# Altium PCB PCBV2.PcbDoc (part 1 of 2) (continued)
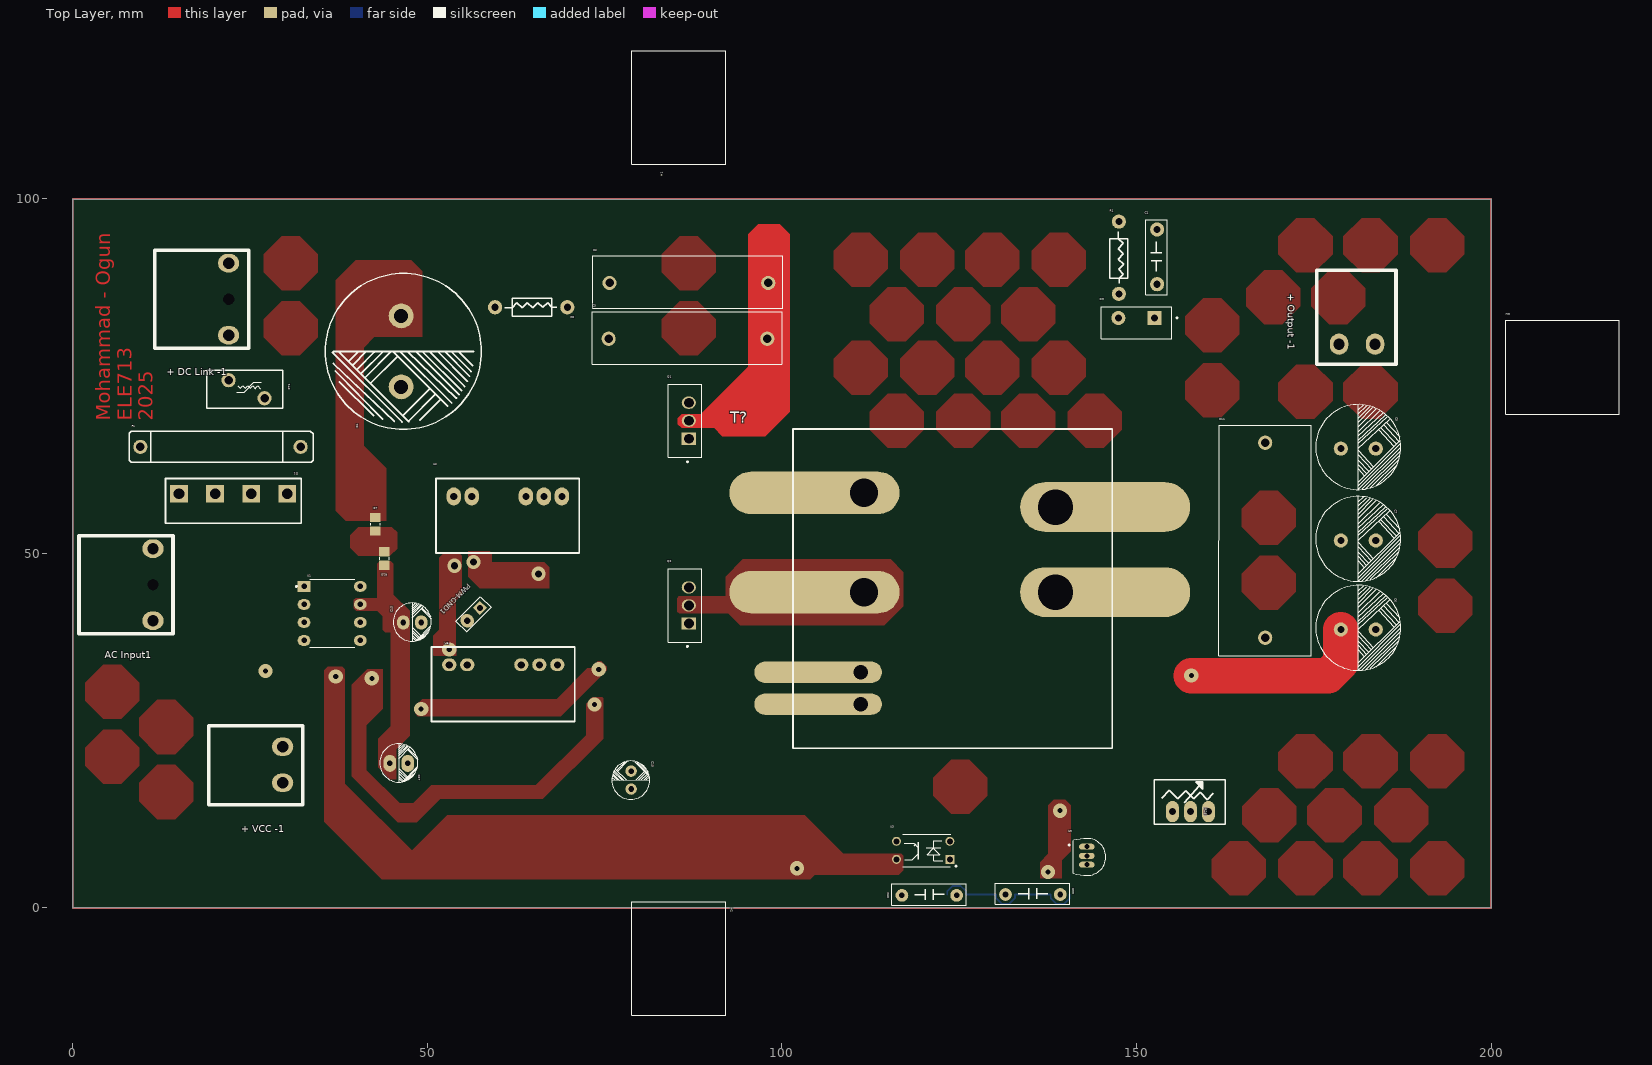
[diagram p0: Top Layer view]
## Footprints (in the part's own frame and the unit in brackets; to place one, negate y for a bottom-side part, rotate by r counter-clockwise, add the part's x,y. Pads: shape width x height; smd on the part's side, far side on the other; paste and mask are expansions set on the pad) (continued)
  rect 1.26x1.26 hole 0.84: 1(1.27,0)
  round 1.26 hole 0.84: 2(1.27,-2.54) 3(8.8,-2.54) 4(8.8,0)
  silkscreen extent 0.31,-3.56 7.95,1.07, body extent 1.13,-3.7 9.01,0.89, height 4.3
"PWM Controller UC3844 DIP 01" [mm]
  rect 1.8x1.5 hole 0.78: 1(-3.97,3.81)
  oval 1.8x1.5 hole 0.78: 2(-3.97,1.27) 3(-3.97,-1.27) 4(-3.97,-3.81) 5(3.97,-3.81) 6(3.97,-1.27) 7(3.97,1.27) 8(3.97,3.81)
  silkscreen extent -5.13,-4.79 3.17,4.79, body extent -4.1,-4.54 4.1,5.05, height 5.08
"Resistor DIP 0.25W 01" [mm]
  round 2 hole 1: 1(-5.093,0) 2(5.093,0)
  silkscreen extent -3.7,-1.27 3.63,1.27, body extent -5.4,-1.16 5.37,1.16, height 2.93
"Resistor SMD 805" [mm]
  rect 1.3x1.5 smd: 1(-0.95,0) 2(0.95,0)
  silkscreen extent -0.15,-0.65 0.15,0.65, body extent -1,-0.62 1,0.62, height 0.6
"Resistor SMD 1206" [mm]
  rect 1.13x1.77 smd: 1(-1.47,0) 2(1.47,0)
  silkscreen extent -0.58,-0.88 0.58,0.88, body extent -1.63,-0.77 1.57,0.83, height 0.55
"Resistor SMD 1206 MELF 01" [mm]
  rect 1.3x1.5 smd: 1(-0.95,0) 2(0.95,0)
  silkscreen extent -0.15,-0.65 0.15,0.65, body extent -1.13,-0.58 1.07,0.52, height 1.1
"Resistor SMD 2512" [mm]
  rect 1.45x2.9 smd: 1(-3.325,0) 2(3.325,0)
  silkscreen extent -2.28,-1.6 2.28,1.6, body extent -3.23,-1.6 3.17,1.6, height 0.6
"Resistor Variable DIP 02" [mm]
  oval 1.8x3 hole 1: 1(-2.54,0) 2(0,0) 3(2.54,0)
  silkscreen extent -5.08,-1.79 4.92,4.52, body extent -4.76,-1.9 4.76,4.19, height 12.56
"TL431 DIP" [mm]
  oval 0.85x2.2 hole 0.7: 1(-1.27,0) 2(0.025,0) 3(1.27,0)
  silkscreen extent -2.43,-2.59 2.78,2.68, body extent -2.41,-1.37 2.41,2.31, height 7.84

## Part data
"+ DC Link -1" "+ Output -1" "+ VCC -1" "AC Input1" PWM-GND1: library part "Contact-Phoenix 2x", "Contact-Phoenix 2x", Color=Green, Current=15A, Current Rating=17.5A, Flammability Rating="UL94 V-0", Manufacturer="Phoenix Contact", Manufacturer Part Number=1715721, Max Current Rating=22A, Max Operating Temperature=100°C, Max Supply Voltage=250V, Min Operating Temperature=-20°C, Package Quantity=50, Supplier Part Number 1=277-1263-ND, Test Voltage=4kV, Voltage=300V, Voltage Rating=400V, Approvals=UL,CSA,cULus,EAC, Category="Terminal Blocks", ComponentLink1Description=https://datasheet.ciiva.com/16046/1715721-16046034.pdf?src-supplier=Onlinecomponents.com, ComponentLink1URL=https://datasheet.ciiva.com/16046/1715721-16046034.pdf?src-supplier=Onlinecomponents.com, ComponentLink2Description=https://datasheet.ciiva.com/1120/1697161-1120393.pdf?src-supplier=Farnell, ComponentLink2URL=https://datasheet.ciiva.com/1120/1697161-1120393.pdf?src-supplier=Farnell, ComponentLink3Description=https://datasheet.ciiva.com/15169/getdatasheetpartid-212174-15169929.pdf?src-supplier=Verical, ComponentLink3URL=https://datasheet.ciiva.com/15169/getdatasheetpartid-212174-15169929.pdf?src-supplier=Verical, ComponentLink4Description=https://datasheet.ciiva.com/832/1715721-832095.pdf?src-supplier=Digi-Key, ComponentLink4URL=https://datasheet.ciiva.com/832/1715721-832095.pdf?src-supplier=Digi-Key, Connector Type="Screw,Terminal Block,PCB", Contact Material=Tin, Depth=9.8mm, Height=17.3mm, Housing Color=Green, Housing Material=Polyamide, Insulation Material=Nylon, Lead Free="Lead Free", Length=10.16mm, Mount="Through Hole", Number of Circuits=2, Number of Contacts=2, Number of Levels=1, Number of Pins=2, Number of Poles=2, Number of Positions=2, Number of Positions Per Level=2, Number of Rows=1, Orientation=Straight, Packaging=Bulk, Pitch=5.08mm, Pricing 1="1=1.39000, 10=1.33400, 50=1.27600, 100=1.24120, 250=1.16000, 500=1.06720, 1000=0.98600, 2500=0.93960, 5000=0.89320 (USD)", Radiation Hardening=No, REACH SVHC="No SVHC", RoHS=Yes, RoHS Compliant=Yes, Series=MKDS, Stock 1=4962, Stripping Length=7mm, Supplier 1=Digi-Key, Termination=Screw, Voltage Rating (AC)=250V, Weight=0.103705oz, Width=17.3mm, Wire Gauge (Max)=26AWG, Wire Gauge (Min)=26AWG, Wire/Cable Gauge=14AWG
C1 C2 C3 C8 C9 C10 C11 C12 C14 C16 C17 C18 C19 C20 C21 C22 C23 C24 C25 C26 C28 C29 C30 C31 C32 C33 C34 C35 C36 C37: library part "Capacitors Non-Electrolytic", "Ceramic & Polyester Capacitor"
C4 C5 C6 C7 C13 C15 C27: library part "Capacitors Electrolytic", "Aluminum Electrolytic Capacitors", Package="Radial Nichicon", Supplier Part Number 1=1189-2012-ND, Availability=Unavailable, MF=Nichicon, MP=UVR2A471MHD, Price=None, SnapEDA_Link=https://www.snapeda.com/parts/UVR2A471MHD/Nichicon/view-part/2302933/?ref=snap, Supplier 1=Digi-Key
D1: library part "Single Phase Bridge Rectifier", "Bridge Rectifier Single Phase Standard", Supplier Part Number 1=6113720, DatasheetVersion=E2732B, LatestRevisionDate=29-May-2009, LatestRevisionNote="Sch pins A & K swapped.", PackageDescription="Bridge Rectifier; 4 Terminals; Body 9.4 x 9.4 mm (typ); Pitch 5.08 mm", PackageReference=D-38, Published=8-Jun-2000, Publisher="Altium Limited", Supplier 1="Future Electronics"
D2 D3 D4 D5: library part Diode, "Through Hole & SMD Diode", ComponentLink1Description="Manufacturer Link", ComponentLink1URL=http://www.irf.com/, DatasheetVersion=Aug-1984, LatestRevisionDate=17-Jul-2002, LatestRevisionNote="Re-released for DXP Platform.", PackageDescription="Diode, Axial; Body 9.5 x 5.3 mm (LxDia. max), Lead Dia. 1.32 mm (max)", PackageReference=DO-201AD, Published=8-Jun-2000, Publisher="Altium Limited"
D6 D9 D10: library part "Diode Zener", "Through Hole & SMD Zener Diode", ComponentLink1Description="Manufacturer Link", ComponentLink1URL=http://www.irf.com/, ComponentLink2Description=Datasheet, ComponentLink2URL=http://www.irf.com/product-info/datasheets/data/18tq.pdf, DatasheetVersion=Dec-1997, LatestRevisionDate=17-Jul-2002, LatestRevisionNote="Re-released for DXP Platform.", Note="Terminal 2 is the TAB and is electrically connected to the cathode", PackageDescription="TO, Thru-Hole, Vertical, Heatsink Mounted; 3 In-Line Leads (1 Absent); Pitch 2.54 mm", PackageReference=TO-220AC, PackageVersion=Feb-1998, Published=8-Jun-2000, Publisher="Altium Limited"
D7 D8: library part LED, "Typical RED, GREEN, YELLOW, AMBER GaAs LED", LatestRevisionDate=17-Jul-2002, LatestRevisionNote="Re-released for DXP Platform.", PackageDescription="SM LED; 2 Flat Leads", PackageReference=3.2X1.6X1.1, PackageVersion=Feb-2002, Published=8-Jun-2000, Publisher="Altium Limited"
F1: library part Fuse, "Fuse, Circuit Protection", Supplier Part Number 1=031501.2HXP-ND, LatestRevisionDate=17-Jul-2002, LatestRevisionNote="Re-released for DXP Platform.", PackageDescription="Thru-Hole; 2 Leads", PackageReference=PIN-W2/E2.8, Published=8-Jun-2000, Publisher="Altium Limited", Supplier 1=Digi-Key
H1 H2 H3: library part "Heat Sink", "Heat Sink TO-220 Aluminum 20.0W @ 60°C Board Level, Vertical", Package=None, Availability="In Stock", Check_prices=https://www.snapeda.com/parts/530002B02500G/Aavid+Thermalloy/view-part/?ref=eda, MF="Aavid Thermalloy", MP=530002B02500G, Price=None, Purchase-URL=https://pricing.snapeda.com/search/part/530002B02500G/?ref=eda, SnapEDA_Link=https://www.snapeda.com/parts/530002B02500G/Aavid+Thermalloy/view-part/?ref=snap
Q1 Q2: library part "Transistor MOSFET", "N-Channel MOSFET", Package="SC-59 ON Semiconductor", Availability=Good, Check_prices=https://www.snapeda.com/parts/FDN360P/ON%20Semiconductor/view-part/2105995/?ref=eda, MF="ON Semiconductor", MP=FDN360P, Price=None, Purchase-URL=https://pricing.snapeda.com/search/part/FDN360P/?ref=eda, SnapEDA_Link=https://www.snapeda.com/parts/FDN360P/ON%20Semiconductor/view-part/2105995/?ref=snap
Q3: library part "Transistor BJT", "NPN General Purpose BJT", ComponentLink1Description="Manufacturer Link", ComponentLink1URL=http://www.fairchildsemi.com/, ComponentLink2Description=Datasheet, ComponentLink2URL=http://www.fairchildsemi.com/ds/2N%2F2N3904.pdf, DatasheetVersion=1997, LatestRevisionDate=15-Jan-2003, LatestRevisionNote="PCB Footprint 'BCY-W3/D4.7' replaced", PackageDescription="TO, Flat Index; 3 In-Line, Axial Leads; Body Dia. 4.5mm; Leads 0.51 x 0.48 mm (max)", PackageReference=TO-92A, PackageVersion=Sep-1998, Published=8-Jun-2000, Publisher="Altium Limited"
R1 R2 R3 R4 R5 R6 R7 R8 R9 R10 R11 R12 R13 R14 R15 R16 R17 R18 R19 R20 R21 R22 R23 R24 R25 R26 R27 R29 R30 R31 R32 R33 R34 R35 R36: library part Resistor, "Through Hole & SMD", LatestRevisionDate=17-Jul-2002, LatestRevisionNote="Re-released for DXP Platform.", PackageDescription="Axial Device, Thru-Hole; 2 Leads; 0.3 in Pin Spacing", PackageReference=AXIAL-0.3, Published=8-Jun-2000, Publisher="Altium Limited"
R28: library part "Resistor Variable", "Trimmer Potentiometer Cermet Top Adjustment", Supplier Part Number 1=3252W-103LF-ND, LatestRevisionDate=17-Jul-2002, LatestRevisionNote="Re-released for DXP Platform.", PackageDescription="Axial Device, Thru-Hole; 2 Leads; 0.7 in Pin Spacing", PackageReference=AXIAL-0.7, Published=8-Jun-2000, Publisher="Altium Limited", Set Position=0.5, Supplier 1=Digi-Key
RT1: library part NTC, "NTC Thermistor", Supplier Part Number 1=495-76311-ND, Code_IPC=RESC2012, LatestRevisionDate=29-May-2009, LatestRevisionNote="IPC-7351 Footprint Added.", PackageDescription="Chip Resistor 0805 Case Size", PackageReference=6-0805, PackageVersion=Mar-2003, Published=24-Mar-1999, Publisher="Altium Limited", Supplier 1=Digi-Key
T?: library part EE42/21/20, "Custom Transformer", LatestRevisionDate=17-Jul-2002, LatestRevisionNote="Re-released for DXP Platform.", PackageDescription="Transformer; 8 Leads", PackageReference=TRF_8, Published=25-Jan-2001, Publisher="Altium Limited"
U1: library part "PWM Controller UC3844BN", "Off-Line Controllers 52kHz 1A Current PWM No-Cancel/No-Return", Manufacturer=STMicroelectronics, Supplier Part Number=511-UC3844BN, Category="Voltage Regulators - Switching", ComponentLink1Description=https://datasheet.ciiva.com/15108/getdatasheetpartid-119240-15108173.pdf?src-supplier=Verical, ComponentLink1URL=https://datasheet.ciiva.com/15108/getdatasheetpartid-119240-15108173.pdf?src-supplier=Verical, ComponentLink2Description=https://datasheet.ciiva.com/4875/cd00000966-105506-4875760.pdf?src-supplier=Mouser, ComponentLink2URL=https://datasheet.ciiva.com/4875/cd00000966-105506-4875760.pdf?src-supplier=Mouser, ComponentLink3Description=https://datasheet.ciiva.com/17091/0900766b80ed226c-17091155.pdf?src-supplier=Allied+Electronics, ComponentLink3URL=https://datasheet.ciiva.com/17091/0900766b80ed226c-17091155.pdf?src-supplier=Allied+Electronics, ComponentLink4Description=https://datasheet.ciiva.com/2015/cd00000966-2015458.pdf?src-supplier=Digikey, ComponentLink4URL=https://datasheet.ciiva.com/2015/cd00000966-2015458.pdf?src-supplier=Digikey, ComponentLink5Description=https://datasheet.ciiva.com/2015/cd00000966-2015459.pdf?src-supplier=Digikey, ComponentLink5URL=https://datasheet.ciiva.com/2015/cd00000966-2015459.pdf?src-supplier=Digikey, ComponentLink6Description=https://datasheet.ciiva.com/8197/cd00000966-8197558.pdf?src-supplier=Avnet, ComponentLink6URL=https://datasheet.ciiva.com/8197/cd00000966-8197558.pdf?src-supplier=Avnet, ComponentLink7Description=https://datasheet.ciiva.com/16361/cd00000966-16361433.pdf?src-supplier=Future+Electronics, ComponentLink7URL=https://datasheet.ciiva.com/16361/cd00000966-16361433.pdf?src-supplier=Future+Electronics, Manufacturer Part Number=UC3844BN, Pricing="1=0.71, 10=0.501, 50=0.501, 100=0.46, 1000=0.414, 10000=0.38 (USD)", RoHS=Yes, Stock=11981, Supplier=Mouser
U2 U6: library part "Linear Regulator Isolated Module MGJ", "Module DC-DC 12VIN 2-OUT 15V/-5V 0.08A/0.04A 2W 5-Pin SIP Module", Case/Package=SIP, Current - Output 1=80mA, Current - Output 2=40mA, Isolation Voltage=5.2kV, Manufacturer=Murata, Manufacturer Part Number=MGJ2D121505SC, Max Input Voltage=13.2V, Max Operating Temperature=100°C, Max Output Power=2W, Max Power Dissipation=1W, Min Input Voltage=10.8V, Min Operating Temperature=-40°C, Nominal Input Voltage=12V, Output Voltage=15V, Package Quantity=25, Supplier Part Number 1=580-MGJ2D122005SC, Voltage - Output 2=-5V, ComponentLink1Description=http://www.farnell.com/datasheets/1965123.pdf?src-supplier=Element14, ComponentLink1URL=http://www.farnell.com/datasheets/1965123.pdf?src-supplier=Element14, ComponentLink2Description=http://power.murata.com/data/power/ncl/kdc_mgj2.pdf?src-supplier=Avnet, ComponentLink2URL=http://power.murata.com/data/power/ncl/kdc_mgj2.pdf?src-supplier=Avnet, Depth=19.65mm, Efficiency=80%, Features=SCP, Height=0.5inch, Length=0.77inch, Max Input Voltage (DC)=13.2V, Max Output Current=40mA, Min Input Voltage (DC)=10.8V, Mount="Through Hole", Number of Outputs=2, Number of Pins=5, Output Current=80mA, Output Power=2W, Packaging=Rail/Tube, Pricing 1="1=8.46, 5=8.42, 10=8.36, 25=8.27, 50=8.06, 100=7.66, 250=7.17, 500=6.68, 1000=6.65 (USD)", Radiation Hardening=No, REACH SVHC="No SVHC", RoHS Compliant=Yes, Stock 1=0, Supplier 1=Mouser, Voltage - Output 1=15V, Weight=0.151678oz, Width=0.39inch
U3: library part Optoisolator, "Optoisolator Transistor Output 5000Vrms 1 Channel 4-DIP", Supplier Part Number 1=559-1070-ND, DatasheetVersion=Nov-2003, LatestRevisionDate=04-Mar-2005, LatestRevisionNote="Sch pins 3 & 4 Swapped.", PackageReference=DIP-4, Published=24-Mar-1999, Publisher="Altium Limited", Supplier 1=Digi-Key
U4: library part "Linear Regulator", "Voltage Regulators - Linear, Low Drop Out (LDO) Regulators", Case/Package=TO-252, Dropout Voltage=1.1V, Input Bias Current=5mA, Manufacturer=STMicroelectronics, Manufacturer Part Number=LD1117DT33, Max Input Voltage=15V, Max Operating Temperature=125°C, Max Output Current=800mA, Max Output Voltage=3.3V, Max Power Dissipation=12W, Min Input Voltage=5.3V, Min Operating Temperature=0°C, Min Supply Voltage=4.75V, Output Current=950mA, Output Voltage Accuracy=1%, Package Quantity=75, Quiescent Current=10mA, Supplier Part Number 1=511-LD1117DT33, Category="Voltage Regulators - Linear", ComponentLink1Description=https://datasheet.ciiva.com/2070/cd00000544-2070990.pdf?src-supplier=Digi-Key, ComponentLink1URL=https://datasheet.ciiva.com/2070/cd00000544-2070990.pdf?src-supplier=Digi-Key, Max Supply Voltage=15V, Mount="Surface Mount", Nominal Output Voltage=3.3V, Number of Outputs=1, Number of Pins=3, Number of Regulators=1, Output Type=Fixed, Output Voltage=3.3V, Packaging=Rail/Tube, Polarity=Positive, Power Dissipation=12W, REACH SVHC="No SVHC", RoHS=Yes, RoHS Compliant=Yes, Supplier 1=Mouser, Termination=SMD/SMT, Voltage=3.3V
U5: library part TL431, "Shunt Voltage Reference IC", Package="TO-92 Microsemi Corporation", Supplier Part Number 1=497-16221-ND, Availability=Unavailable, DigiKey-Purchase-URL=https://snapeda.com/shop?store=DigiKey&id=187631, MF="Microsemi Corporation", MP=TL431ILP, Price=None, SnapEDA_Link=https://www.snapeda.com/parts/TL431ILP/Microsemi%20Corporation/view-part/187631/?ref=snap, Supplier 1=Digi-Key
U7 U8: library part "Gate Driver IS341W", "Photocoupler is ideally suited for driving power IGBTs and MOSFETs", Manufacturer=Isocom, Manufacturer Part Number=IS341W, Supplier Part Number=IS341WCT-ND, ComponentLink1Description=http://isocom.com/wp-content/uploads/2017/08/DD93205_IS341W_17-01-17.pdf?src-supplier=Digikey, ComponentLink1URL=http://isocom.com/wp-content/uploads/2017/08/DD93205_IS341W_17-01-17.pdf?src-supplier=Digikey, Pricing="1=2.2, 10=1.429, 100=1.0327, 500=0.87664 (USD)", RoHS=Yes, Stock=232, Supplier=Digikey

## Via types
v1: diameter 2, hole 0.711, Top Layer to Bottom Layer, 11 vias
v2: diameter 2, hole 1, Top Layer to Bottom Layer, 3 vias

## Nets (pads, with @x,y where several pads share a name; then routed paths per layer and width w, separated by ;. In a path a pad name is that pad's centre, name@x,y a point inside that pad or via, vN(x,y) a via of type N, cw(c..) or ccw(c..) an arc to the next point about the centre after c; other vN are vias at no path point)
20V: C17.2 Q3.2 R18.1
GATE_B: D10.2 Q2.1 R35.1 R36.1
GATE_T: D9.2 Q1.1 R33.1 R34.1
GND: "+ Output -1.1" C5.2 C6.2 C7.2 C8.1 C9.1 C10.1 C11.1 C17.1 C18.1 C33.2 D6.1 D7.2 R3.2 R4.2 R5.2 R28.2 R29.2 T?.6 U5.2
GND_ISO_B: C36.1 C37.1 D10.1 Q2.3 R13.2 R14.2 R15.2 R16.2 R17.1 R32.1 R36.2 U6.5 U8.4
  other v1: 49.134,28.067 27.178,33.401 74.168,33.655
GND_ISO_T: C28.1 C30.1 D4.2 D9.1 Q1.3 R25.1 R34.2 T?.1 U2.5 U7.4
ISENSE: C21.2 R17.2 U1.3
"NetAC Input1_1": "AC Input1.1" F1.1
"NetAC Input1_2": "AC Input1.2" D1.2
NetC1_2: C1.2 R1.1
NetC16_2: C16.2 R8.2 U1.1
NetC18_2: C18.2 D6.2 Q3.1 R9.2
NetC19_2: C19.2 R12.1 U1.4
NetC22_1: C22.1 C23.1 C28.2 C30.2 R19.1 R25.2 U2.6
NetC24_1: C24.1 C26.1 R20.2 R21.2 R28.1 R29.1 U5.1
NetC24_2: C24.2 R22.2 R26.1 U3.2 U5.3
NetC26_2: C26.2 R26.2
NetC31_1: C31.1 R23.2 R27.1 U3.3
NetC32_2: C32.2 C33.1
NetC34_1: C34.1 C35.1 C36.2 C37.2 R30.1 R32.2 U6.6
NetD1_1: D1.1 F1.2
NetD1_4: D1.4 RT1.1
NetD2_1: D2.1 Q2.2 T?.2 | length 1.6
  Top Layer w0.254: T?.2@113.48,43.434 T?.2@114.581,44.535
NetD3_1: D3.1 R1.2 T?.5
NetD5_1: D5.1 T?.3
NetD5_2: D5.2 R6.1
NetD7_1: D7.1 R24.2
NetD8_1: D8.1 R31.2
NetR7_2: R7.2 R10.1
NetR11_1: R11.1 U1.6
NetR18_2: R18.2 R22.1 U3.1
  other v1: 137.541,5.08 139.192,13.716
NetR33_2: R33.2 U7.5
NetR35_2: R35.2 U8.5
PGND: "+ DC Link -1.2" "+ VCC -1.1" C2.1 C3.1 C4.2 C12.1 C13.2 C14.1 C15.2 C19.1 C20.1 C21.1 C25.1 C27.2 C29.1 C31.2 C32.1 D1.3 D4.1 D8.2 PWM-GND1.2 R2.2 R13.1 R14.1 R15.1 R16.1 R27.2 T?.4 U1.5 U2.2 U4.2 U6.2 U7.3 U8.3 | length 99.7
  Signal Layer 1 w0.254: v1(73.556,28.702) 84.455,28.702 91.821,36.068 91.821,72.898 84.455,80.264 C3.1@75.565,80.264
  Bottom Layer w0.254: 123.311,1.905 123.311,2.328 124.088,3.105 125.187,3.105 125.965,2.328 125.965,1.905 130.194,1.905 130.194,1.355 130.972,0.578 132.071,0.578 132.848,1.355 132.848,1.905 137.916,1.905 137.916,1.355 138.693,0.578 139.792,0.578 140.57,1.355 140.57,1.905
  other v1: 42.164,32.385
  other v2: 65.659,47.117 56.515,48.768
PWM: PWM-GND1.1 R11.2 U7.1 U8.1
VCC: "+ VCC -1.2" C12.2 C13.1 C14.2 C15.1 C27.1 C29.2 R6.2 R10.2 R31.1 U1.7 U4.1
VCC_ISO_B: C34.2 C35.2 R30.2 U6.7 U8.6
VCC_ISO_T: C22.2 C23.2 R19.2 U2.7 U7.6
VCC_LR: C25.2 U2.1 U4.3 U6.1
  other v1: 53.086,36.449
  other v2: 53.848,48.26
VDCLINK: "+ DC Link -1.1" C2.2 C3.2 C4.1 D2.2 Q1.2 R2.1 R7.1 RT1.2
VFB: C16.1 R8.1 R23.1 U1.2
Vout: "+ Output -1.2" C1.1 C5.1 C6.1 C7.1 C8.2 C9.2 C10.2 C11.2 D3.2 Q3.3 R3.1 R4.1 R5.1 R9.1 R20.1 R21.1 R24.1 | length 26.5
  Top Layer w5: v1(157.734,32.766) 177.038,32.766 178.816,34.544 C6.1@178.816,39.268
VREF: C20.2 R12.2 U1.8 U3.4
  other v1: 102.108,5.588 37.084,32.639
pads on no net: "+ DC Link -1." "AC Input1." R28.3 U7.2 U8.2
copper on no net: | length 1200
  Top Layer w0.254: 0,0 0,100 200,100 200,0 0,0
  Bottom Layer w0.254: 0,0 200,0 200,100 0,100 0,0

## Polygon pours and split planes (outlines as drawn)
GND on Bottom Layer "Bottom Layer-GND 9" (solid, pour order 226): 137.414,3.429 137.414,0.508 149.225,0.508 150.241,1.524 150.241,7.874 148.209,7.874 147.828,7.493 147.828,3.429
PGND on Bottom Layer "Bottom Layer-PGND 17" (solid, pour order 240): 116.332,0.635 117.729,0.635 119.888,2.794 119.888,17.145 118.745,16.002 118.618,16.002 118.364,15.748 118.364,15.494 118.745,15.113 118.745,4.953 115.379,1.587
NetC32_2 on Bottom Layer "Bottom Layer-NetC32_2" (solid, pour order 228): 123.317,3.302 132.334,3.302 132.842,2.794 132.842,0.762 132.588,0.508 123.317,0.508
GND_ISO_B on Bottom Layer "Bottom Layer-GND_ISO_B 4" (solid, pour order 234): 28.448,34.036 28.448,31.115 30.828,28.735 47.15,28.735 48.133,29.718 50.038,29.718 50.546,29.21 50.546,27.178 50.165,26.797 48.006,26.797 47.117,27.686 27.559,27.686 25.908,29.337 25.908,33.909
PGND on Bottom Layer "Bottom Layer-PGND 18" (solid, pour order 232): 59.817,44.958 63.627,48.768 66.802,48.768 67.437,48.133 67.437,46.101 65.786,44.45 59.817,44.45
VREF on Bottom Layer "Bottom Layer-VREF 1" (solid, pour order 222): 116.84,7.62 115.57,7.62 114.554,6.604 114.554,5.588 104.394,5.588 102.87,7.112 100.711,7.112 100.076,6.477 100.076,4.064 104.013,4.064 104.648,4.699 116.205,4.699 117.094,5.588 117.094,7.366
VFB on Bottom Layer "Bottom Layer-VFB 1" (solid, pour order 220): 106.045,10.287 85.852,10.287 80.645,5.08 20.828,5.08 20.828,36.957 24.13,40.259 25.908,42.037 27.305,42.037 27.305,43.18 24.384,43.18 18.288,37.084 18.288,3.175 84.455,3.175 89.916,8.636 106.045,8.636
PGND on Bottom Layer "Bottom Layer-PGND" (solid, pour order 202): 73.152,29.718 72.644,29.21 72.644,28.067 73.406,27.305 89.281,27.305 89.789,27.813 89.789,29.21 75.057,29.21 74.549,29.718
NetC31_1 on Bottom Layer "Bottom Layer-NetC31_1" (solid, pour order 190): 106.68,10.16 106.68,6.985 112.733,6.985 114.511,8.763 116.713,8.763 116.967,9.017 116.967,10.287 114.173,10.287 113.792,9.906 111.252,9.906 110.998,10.16
VCC on Bottom Layer "Bottom Layer-VCC" (solid, pour order 200): 20 vertices, not listed, extent 44.069,10.16 84.709,20.066
VCC on Bottom Layer "Bottom Layer-VCC 1" (solid, pour order 198): 33.782,13.208 30.734,16.256 28.702,16.256 28.194,16.764 28.194,18.796 28.448,19.05 31.623,19.05 34.671,22.098 44.643,22.098 45.593,21.148 45.593,6.858 45.212,6.477 34.163,6.477 33.782,6.858
VCC on Bottom Layer "Bottom Layer-VCC 2" (solid, pour order 196): 33.782,9.652 33.782,6.858 33.909,6.731 36.957,6.731 36.957,9.591 36.769,9.779 33.909,9.779
NetD8_1 on Bottom Layer "Bottom Layer-NetD8_1" (solid, pour order 194): 29.591,9.652 29.591,6.858 29.718,6.731 32.766,6.731 32.766,9.591 32.578,9.779 29.718,9.779
PGND on Bottom Layer "Bottom Layer-PGND 1" (solid, pour order 192): 20 vertices, not listed, extent 24.257,6.858 49.149,26.67
VREF on Bottom Layer "Bottom Layer-VREF" (solid, pour order 188): 17 vertices, not listed, extent 35.433,31.623 41.402,46.228
NetC19_2 on Bottom Layer "Bottom Layer-NetC19_2" (solid, pour order 186): 32.004,38.354 34.163,38.354 34.671,37.846 34.671,33.655 34.671,32.766 32.385,32.766 32.004,33.147
NetC16_2 on Bottom Layer "Bottom Layer-NetC16_2" (solid, pour order 184): 27.042,46.482 27.051,46.473 27.051,44.831 29.083,44.831 29.379,44.535 33.486,44.535 33.528,44.577 33.528,47.879 27.051,47.879
VFB on Bottom Layer "Bottom Layer-VFB" (solid, pour order 182): 33.147,43.307 31.877,43.307 31.369,43.815 29.337,43.815 29.083,43.561 27.051,43.561 26.924,43.434 26.924,42.037 33.147,42.037
ISENSE on Bottom Layer "Bottom Layer-ISENSE" (solid, pour order 180): 26.416,41.148 26.416,39.116 26.67,38.862 28.448,38.862 28.956,39.37 31.623,39.37 31.75,39.497 33.02,39.497 33.401,39.878 33.401,40.64 33.02,41.021 30.607,41.021 30.48,41.148
GND_ISO_B on Bottom Layer "Bottom Layer-GND_ISO_B" (solid, pour order 178): 26.797,38.2 25.908,37.311 25.908,32.639 26.416,32.131 27.686,32.131 28.448,32.893 28.448,38.2
PGND on Bottom Layer "Bottom Layer-PGND 2" (solid, pour order 176): 18 vertices, not listed, extent 29.337,29.464 40.64,38.481
PGND on Bottom Layer "Bottom Layer-PGND 3" (solid, pour order 174): 42.164,40.767 43.688,40.767 43.688,31.75 43.053,31.115 41.656,31.115 41.021,31.75 41.021,36.449 42.164,37.592
NetR11_1 on Bottom Layer "Bottom Layer-NetR11_1" (solid, pour order 172): 43.786,45.183 42.926,44.323 39.243,44.323 38.481,43.561 38.481,39.431 41.402,39.431 41.402,40.894 39.37,40.894 39.243,41.021 39.243,43.561 39.497,43.815 44.323,43.815 44.45,43.688 45.085,43.688 45.085,45.183
VCC on Bottom Layer "Bottom Layer-VCC 3" (solid, pour order 170): 39.969,43.434 39.969,42.164 42.545,42.164 42.672,42.037 44.577,42.037 45.72,40.894 45.72,39.497 45.847,39.37 47.244,39.37 47.498,39.624 47.498,42.545 47.117,42.926 44.069,42.926 43.561,43.434
NetD1_4 on Bottom Layer "Bottom Layer-NetD1_4" (solid, pour order 168): 13.716,57.15 13.716,66.802 15.936,69.022 22.032,69.022 26.035,73.025 27.686,73.025 28.067,72.644 28.067,70.485 22.606,65.024 19.685,65.024 16.383,61.722 16.383,57.15
"NetAC Input1_2" on Bottom Layer "Bottom Layer-NetAC Input1_2" (solid, pour order 166): 9.144,42.545 14.351,42.545 18.542,46.736 18.542,59.817 21.59,59.817 21.59,45.085 14.705,38.2 9.144,38.2
"NetAC Input1_1" on Bottom Layer "Bottom Layer-NetAC Input1_1" (solid, pour order 164): 6.858,47.244 4.826,49.276 4.826,63.374 7.746,66.294 10.795,66.294 11.176,65.913 11.176,54.483 13.208,52.451 13.208,47.244
NetD1_1 on Bottom Layer "Bottom Layer-NetD1_1" (solid, pour order 162): 23.622,56.134 23.622,61.468 29.464,67.31 33.528,67.31 33.782,67.056 33.782,63.627 33.274,63.119 29.483,63.119 26.924,60.56 26.924,56.134
PGND on Bottom Layer "Bottom Layer-PGND 4" (solid, pour order 160): 19 vertices, not listed, extent 20.32,55.499 49.149,83.486
NetR33_2 on Bottom Layer "Bottom Layer-NetR33_2" (solid, pour order 158): 70.673,67.056 72.771,67.056 73.213,66.614 73.213,65.913 74.61,65.913 74.61,67.945 70.673,67.945
GATE_T on Bottom Layer "Bottom Layer-GATE_T" (solid, pour order 156): 75.565,67.818 75.565,66.04 77.851,66.04 79.248,64.643 87.884,64.643 87.884,67.122 82.865,67.122 82.55,67.437 80.899,67.437 80.645,67.691 77.606,67.691 77.479,67.818
GND_ISO_T on Bottom Layer "Bottom Layer-GND_ISO_T" (solid, pour order 154): 27 vertices, not listed, extent 62.865,53.975 85.725,73.152
VCC_ISO_T on Bottom Layer "Bottom Layer-VCC_ISO_T" (solid, pour order 152): 68.072,57.658 68.072,58.801 69.662,58.801 70.805,59.944 70.866,59.944 70.866,66.294 71.12,66.548 72.771,66.548 72.771,53.988 69.596,53.988 69.596,56.769 69.469,56.896 68.58,56.896
NetC22_1 on Bottom Layer "Bottom Layer-NetC22_1" (solid, pour order 150): 65.405,58.801 66.167,59.563 66.167,60.706 69.703,60.706 69.703,59.944 68.326,59.944 67.437,59.055 67.437,56.007 67.691,55.753 68.834,55.753 68.834,53.467 64.897,53.467 64.897,56.642 65.405,57.15
GND_ISO_T on Bottom Layer "Bottom Layer-GND_ISO_T 1" (solid, pour order 20): 21 vertices, not listed, extent 84.963,54.737 117.221,73.152
PGND on Bottom Layer "Bottom Layer-PGND 5" (solid, pour order 148): 55.372,47.498 55.626,47.244 57.023,47.244 57.404,47.625 57.404,66.421 59.182,68.199 61.976,68.199 61.976,69.596 61.722,69.85 57.277,69.85 55.372,67.945
VCC_LR on Bottom Layer "Bottom Layer-VCC_LR" (solid, pour order 146): 54.737,47.117 54.483,46.863 50.038,46.863 49.657,47.244 49.657,59.944 50.292,60.579 54.737,60.579
PWM on Bottom Layer "Bottom Layer-PWM" (solid, pour order 144): 20 vertices, not listed, extent 46.863,40.513 62.103,66.548
PGND on Bottom Layer "Bottom Layer-PGND 6" (solid, pour order 142): 56.007,34.417 56.515,33.909 57.658,33.909 64.516,40.767 64.516,44.958 59.817,44.958 59.817,43.053 61.849,43.053 62.103,42.799 62.103,40.386 60.833,39.116 56.007,39.116
NetC34_1 on Bottom Layer "Bottom Layer-NetC34_1" (solid, pour order 140): 65.659,36.703 65.659,35.179 65.405,34.925 65.405,31.242 65.659,30.988 70.231,30.988 70.358,31.115 70.358,32.893 66.929,32.893 66.669,33.153 66.669,35.814
GATE_B on Bottom Layer "Bottom Layer-GATE_B" (solid, pour order 138): 75.184,42.545 75.184,40.767 77.47,40.767 79.121,39.116 87.884,39.116 87.884,41.021 83.185,41.021 82.296,41.91 80.772,41.91 80.391,42.291 77.352,42.291 77.098,42.545 76.702,42.545
NetR35_2 on Bottom Layer "Bottom Layer-NetR35_2" (solid, pour order 136): 70.485,41.783 72.409,41.783 73.025,41.167 73.025,40.64 74.422,40.64 74.422,42.672 70.485,42.672
VCC_ISO_B on Bottom Layer "Bottom Layer-VCC_ISO_B 1" (solid, pour order 134): 72.771,31.369
VCC_ISO_B on Bottom Layer "Bottom Layer-VCC_ISO_B 2" (solid, pour order 132): 23 vertices, not listed, extent 67.437,30.988 73.279,41.275
GND_ISO_B on Bottom Layer "Bottom Layer-GND_ISO_B 1" (solid, pour order 130): 23 vertices, not listed, extent 61.468,31.115 88.011,46.482
GND_ISO_B on Bottom Layer "Bottom Layer-GND_ISO_B 2" (solid, pour order 32): 85.598,46.482 88.519,46.482 91.313,43.688 91.313,35.433 90.043,34.163 75.311,34.163 74.676,34.798 74.676,36.703 89.154,36.703 89.535,37.084 89.535,42.545 87.884,44.196 85.598,44.196
NetC26_2 on Bottom Layer "Bottom Layer-NetC26_2" (solid, pour order 128): 128.524,10.541 130.429,10.541 130.81,10.922 133.985,10.922 134.366,10.541 136.271,10.541 136.271,11.43 134.493,13.208 128.524,13.208
NetR18_2 on Bottom Layer "Bottom Layer-NetR18_2" (solid, pour order 124): 122.936,7.493 126.111,7.493 126.365,7.747 127.889,7.747 128.016,7.62 128.016,6.223 128.27,5.969 138.581,5.969 138.581,4.318 138.454,4.191 124.079,4.191 122.936,5.334
NetC24_2 on Bottom Layer "Bottom Layer-NetC24_2" (solid, pour order 122): 144.145,6.477 141.351,6.477 140.081,7.747 132.08,7.747 131.572,8.255 131.572,9.906 122.936,9.906 122.936,8.509 128.143,8.509 130.048,6.604 139.319,6.604 140.589,5.334 144.145,5.334
GND on Bottom Layer "Bottom Layer-GND" (solid, pour order 120): 136.652,27.432 136.652,41.402 141.605,41.402 142.113,40.894 142.113,27.432
GND on Bottom Layer "Bottom Layer-GND 1" (solid, pour order 82): 136.779,48.006 166.751,48.006 167.513,47.244 167.513,38.989 136.624,38.989
NetC1_2 on Bottom Layer "Bottom Layer-NetC1_2" (solid, pour order 118): 145.923,94.234 146.558,93.599 154.178,93.599 154.94,94.361 154.94,98.679 145.923,98.679
NetD7_1 on Bottom Layer "Bottom Layer-NetD7_1" (solid, pour order 116): 169.545,97.917 167.386,97.917 167.386,91.694 169.545,91.694
PGND on Bottom Layer "Bottom Layer-PGND 7" (solid, pour order 114): 169.926,91.694
Vout on Bottom Layer "Bottom Layer-Vout" (solid, pour order 112): 167.132,90.932 167.132,83.439 171.003,83.439 171.003,90.932
GND on Bottom Layer "Bottom Layer-GND 2" (solid, pour order 110): 170.561,94.996 176.403,89.154 186.69,89.154 186.69,97.155 186.055,97.79 170.561,97.79
GND on Bottom Layer "Bottom Layer-GND 3" (solid, pour order 78): 182.245,90.424 182.245,38.481 182.88,37.846 186.69,37.846 186.69,90.424
20V on Bottom Layer "Bottom Layer-20V" (solid, pour order 108): 137.033,18.288 141.478,18.288 141.478,22.225 143.51,24.257 144.78,24.257 144.907,24.384 144.907,26.797 142.748,26.797 141.986,26.035 137.922,26.035 137.033,25.146
NetR18_2 on Bottom Layer "Bottom Layer-NetR18_2 1" (solid, pour order 106): 141.091,17.405 141.478,17.018 141.478,12.319 141.224,12.065 137.795,12.065 137.033,12.827 137.033,17.018 137.42,17.405
GND on Bottom Layer "Bottom Layer-GND 4" (solid, pour order 104): 156.718,19.289 161.656,19.289 162.814,20.447 162.814,27.94 165.989,27.94 165.989,15.367 156.718,15.367
Vout on Bottom Layer "Bottom Layer-Vout 1" (solid, pour order 102): 145.415,30.226 145.415,29.083 145.796,28.702 145.796,13.589 150.622,13.589 150.622,21.082 150.495,21.209 150.495,23.241 147.447,23.241 147.447,28.735 147.828,29.116 147.828,30.226
PGND on Bottom Layer "Bottom Layer-PGND 8" (solid, pour order 100): 145.161,31.75
Vout on Bottom Layer "Bottom Layer-Vout 2" (solid, pour order 86): 145.288,30.734 158.75,30.734 159.258,31.242 159.258,33.909 158.877,34.29 145.288,34.29
NetC18_2 on Bottom Layer "Bottom Layer-NetC18_2" (solid, pour order 98): 148.463,24.39 149.981,24.39 150.495,24.384 151.13,23.749 151.13,21.463 160.909,21.463 160.909,24.892 155.702,24.892 153.035,27.559 148.463,27.559
GND on Bottom Layer "Bottom Layer-GND 5" (solid, pour order 96): 141.986,7.874 148.717,7.874 148.717,10.789 156.337,10.795 156.718,11.176 156.718,18.161 158.623,18.161 158.623,8.509 156.972,6.858 141.986,6.858
NetC24_1 on Bottom Layer "Bottom Layer-NetC24_1" (solid, pour order 94): 146.177,12.954 148.971,12.954 151.318,12.954 153.604,15.24 155.956,15.24 155.956,11.684 148.529,11.684 148.082,11.237 148.082,10.604 147.447,11.239 146.177,11.239
NetC24_1 on Bottom Layer "Bottom Layer-NetC24_1 1" (solid, pour order 92): 132.969,9.652 133.985,9.652 133.985,9.525 134.3,9.21 136.271,9.21 136.586,9.525 146.177,9.525 146.177,12.954 148.082,12.954 148.082,8.255 133.731,8.255 133.604,8.128 132.969,8.128
GND on Bottom Layer "Bottom Layer-GND 6" (solid, pour order 90): 170.561,97.79 170.561,94.996 172.339,94.996 172.339,97.79
Vout on Bottom Layer "Bottom Layer-Vout 3" (solid, pour order 76): 158.115,86.233 177.546,86.233 179.959,83.82 179.959,37.846 176.657,37.846 176.657,53.213 176.276,53.594 172.212,53.594 172.212,67.183 158.115,81.28
Vout on Bottom Layer "Bottom Layer-Vout 4" (solid, pour order 74): 151.384,80.264 153.416,80.264 164.592,69.088 164.592,53.721 164.719,53.594 172.212,53.594 172.339,53.721 172.339,73.025 156.337,89.027 151.384,89.027
GND on Bottom Layer "Bottom Layer-GND 7" (solid, pour order 84): 164.592,28.956 157.607,28.956 155.575,28.956 155.575,26.67 157.861,26.67 172.466,26.67 172.466,35.941 164.592,35.941
GND on Bottom Layer "Bottom Layer-GND 8" (solid, pour order 80): 162.814,51.689 172.466,51.689 172.466,35.56 173.101,34.925 181.587,34.925 182.245,35.583 182.245,38.862 183.134,39.751 186.69,39.751 186.69,26.67 162.814,26.67
NetD3_1 on Bottom Layer "Bottom Layer-NetD3_1" (solid, pour order 72): 136.017,53.086 147.701,53.086 148.59,53.975 148.59,87.376 136.017,87.376
PGND on Bottom Layer "Bottom Layer-PGND 9" (solid, pour order 70): 133.477,45.339
NetC22_1 on Bottom Layer "Bottom Layer-NetC22_1 1" (solid, pour order 68): 66.167,63.373 66.167,59.944 69.703,59.944 69.703,63.373
NetC34_1 on Bottom Layer "Bottom Layer-NetC34_1 1" (solid, pour order 66): 65.659,38.862 65.659,35.56 70.104,35.56 70.104,38.862
PGND on Bottom Layer "Bottom Layer-PGND 10" (solid, pour order 64): 44.958,75.311 62.992,75.311 68.326,80.645 68.326,81.153 72.898,81.153 76.454,77.597 76.454,76.073 72.263,71.882 44.958,71.882
PGND on Bottom Layer "Bottom Layer-PGND 11" (solid, pour order 58): 54.737,34.163 54.737,38.1 53.467,39.37 50.8,39.37 47.625,36.195 40.386,36.195 39.751,36.83 39.751,38.481 47.752,38.481 48.26,38.989 48.26,41.021 48.641,41.402 55.88,41.402 56.642,40.64 56.642,35.56
PGND on Bottom Layer "Bottom Layer-PGND 12" (solid, pour order 50): 78.105,24.765 80.01,22.86 80.01,19.05 79.248,18.288 73.279,18.288 69.759,14.768 61.305,14.768 60.579,15.494 60.579,27.559 54.737,33.401 54.737,34.925 55.372,35.56 56.642,35.56 59.944,32.258 67.437,24.765
PGND on Bottom Layer "Bottom Layer-PGND 13" (solid, pour order 52): 46.355,19.05 46.863,19.05 63.119,19.05 63.246,18.923 63.246,20.859 56.8,20.859 56.515,20.574 51.816,20.574 51.816,21.971 46.355,21.971
GND_ISO_B on Bottom Layer "Bottom Layer-GND_ISO_B 3" (solid, pour order 56): 75.057,35.687 76.2,34.544 74.295,32.639 73.152,33.782
VCC_LR on Bottom Layer "Bottom Layer-VCC_LR 1" (solid, pour order 54): 17 vertices, not listed, extent 49.911,21.463 56.642,37.465
PGND on Bottom Layer "Bottom Layer-PGND 14" (solid, pour order 48): 19 vertices, not listed, extent 82.931,10.922 119.888,36.195
NetD5_1 on Bottom Layer "Bottom Layer-NetD5_1" (solid, pour order 38): 17 vertices, not listed, extent 96.139,18.415 114.554,30.353
PGND on Bottom Layer "Bottom Layer-PGND 15" (solid, pour order 36): 21 vertices, not listed, extent 77.216,18.415 114.427,36.195
NetD5_2 on Bottom Layer "Bottom Layer-NetD5_2" (solid, pour order 34): 85.09,18.415 85.217,18.288 103.378,18.288 103.378,22.86 88.865,22.86 86.106,20.101 85.979,19.974 85.252,19.974 85.09,19.812
NetD2_1 on Bottom Layer "Bottom Layer-NetD2_1" (solid, pour order 24): 17 vertices, not listed, extent 82.55,40.513 117.221,53.975
VDCLINK on Bottom Layer "Bottom Layer-VDCLINK" (solid, pour order 22): 23 vertices, not listed, extent 82.169,51.308 90.424,69.723
PGND on Bottom Layer "Bottom Layer-PGND 16" (solid, pour order 14): 73.787,78.613 75.819,76.581 88.011,76.581 95.885,68.707 100.584,68.707 100.584,71.501 97.663,71.501 87.63,81.534 77.597,81.534 77.597,88.9 76.835,89.662 69.977,89.662 68.326,88.011 68.326,80.518 70.231,78.613
PGND on Bottom Layer "VDCLINK_L03_P-001" (solid, pour order 8): 111.379,81.407
VDCLINK on Bottom Layer "Bottom Layer-VDCLINK 1" (solid, pour order 4): 27 vertices, not listed, extent 12.065,73.152 101.092,99.187
no net on Top Layer "Top Layer-No Net" (solid, pour order 362): 121.336,15.834 121.336,18.374 123.876,20.914 126.416,20.914 128.956,18.374 128.956,15.834 126.416,13.294 123.876,13.294
no net on Top Layer "Top Layer-No Net" (solid, pour order 360): 164.846,44.606 164.846,47.146 167.386,49.686 169.926,49.686 172.466,47.146 172.466,44.606 169.926,42.066 167.386,42.066
no net on Top Layer "Top Layer-No Net 2" (solid, pour order 358): 164.846,53.776 164.846,56.316 167.386,58.856 169.926,58.856 172.466,56.316 172.466,53.776 169.926,51.236 167.386,51.236
no net on Top Layer "Top Layer-No Net" (solid, pour order 356): 189.738,41.37 189.738,43.91 192.278,46.45 194.818,46.45 197.358,43.91 197.358,41.37 194.818,38.83 192.278,38.83
no net on Top Layer "Top Layer-No Net 2" (solid, pour order 354): 189.738,50.54 189.738,53.08 192.278,55.62 194.818,55.62 197.358,53.08 197.358,50.54 194.818,48 192.278,48
no net on Top Layer "Top Layer-No Net" (solid, pour order 352): 83.058,80.486 83.058,83.026 85.598,85.566 88.138,85.566 90.678,83.026 90.678,80.486 88.138,77.946 85.598,77.946
no net on Top Layer "Top Layer-No Net 2" (solid, pour order 350): 83.058,89.656 83.058,92.196 85.598,94.736 88.138,94.736 90.678,92.196 90.678,89.656 88.138,87.116 85.598,87.116
no net on Top Layer "Top Layer-No Net" (solid, pour order 348): 26.924,80.486 26.924,83.026 29.464,85.566 32.004,85.566 34.544,83.026 34.544,80.486 32.004,77.946 29.464,77.946
no net on Top Layer "Top Layer-No Net 2" (solid, pour order 346): 26.924,89.656 26.924,92.196 29.464,94.736 32.004,94.736 34.544,92.196 34.544,89.656 32.004,87.116 29.464,87.116
no net on Top Layer "Top Layer-No Net 2" (solid, pour order 338): 9.398,24.251 9.398,26.791 11.938,29.331 14.478,29.331 17.018,26.791 17.018,24.251 14.478,21.711 11.938,21.711
no net on Top Layer "Top Layer-No Net" (solid, pour order 336): 9.398,15.081 9.398,17.621 11.938,20.161 14.478,20.161 17.018,17.621 17.018,15.081 14.478,12.541 11.938,12.541
no net on Top Layer "Top Layer-No Net 2" (solid, pour order 334): 1.778,29.204 1.778,31.744 4.318,34.284 6.858,34.284 9.398,31.744 9.398,29.204 6.858,26.664 4.318,26.664
no net on Top Layer "Top Layer-No Net" (solid, pour order 332): 1.778,20.034 1.778,22.574 4.318,25.114 6.858,25.114 9.398,22.574 9.398,20.034 6.858,17.494 4.318,17.494
no net on Top Layer "Top Layer-No Net 2" (solid, pour order 330): 181.731,76.614 184.271,76.614 186.811,74.074 186.811,71.534 184.271,68.994 181.731,68.994 179.191,71.534 179.191,74.074
no net on Top Layer "Top Layer-No Net" (solid, pour order 328): 172.561,76.614 175.101,76.614 177.641,74.074 177.641,71.534 175.101,68.994 172.561,68.994 170.021,71.534 170.021,74.074
no net on Top Layer "Top Layer-No Net 2" (solid, pour order 322): 156.845,80.893 156.845,83.433 159.385,85.973 161.925,85.973 164.465,83.433 164.465,80.893 161.925,78.353 159.385,78.353
no net on Top Layer "Top Layer-No Net" (solid, pour order 320): 156.845,71.723 156.845,74.263 159.385,76.803 161.925,76.803 164.465,74.263 164.465,71.723 161.925,69.183 159.385,69.183
no net on Top Layer "Top Layer-No Net 2" (solid, pour order 318): 177.159,89.903 179.699,89.903 182.239,87.363 182.239,84.823 179.699,82.283 177.159,82.283 174.619,84.823 174.619,87.363
no net on Top Layer "Top Layer-No Net" (solid, pour order 316): 167.989,89.903 170.529,89.903 173.069,87.363 173.069,84.823 170.529,82.283 167.989,82.283 165.449,84.823 165.449,87.363
no net on Top Layer "Top Layer-No Net 8" (solid, pour order 314): 181.731,24.511 184.271,24.511 186.811,21.971 186.811,19.431 184.271,16.891 181.731,16.891 179.191,19.431 179.191,21.971
no net on Top Layer "Top Layer-No Net 7" (solid, pour order 312): 191.116,24.511 193.656,24.511 196.196,21.971 196.196,19.431 193.656,16.891 191.116,16.891 188.576,19.431 188.576,21.971
no net on Top Layer "Top Layer-No Net 6" (solid, pour order 310): 172.561,24.511 175.101,24.511 177.641,21.971 177.641,19.431 175.101,16.891 172.561,16.891 170.021,19.431 170.021,21.971
no net on Top Layer "Top Layer-No Net" (solid, pour order 308): 172.561,97.282 175.101,97.282 177.641,94.742 177.641,92.202 175.101,89.662 172.561,89.662 170.021,92.202 170.021,94.742
no net on Top Layer "Top Layer-No Net 1" (solid, pour order 306): 191.116,97.282 193.656,97.282 196.196,94.742 196.196,92.202 193.656,89.662 191.116,89.662 188.576,92.202 188.576,94.742
no net on Top Layer "Top Layer-No Net 2" (solid, pour order 304): 181.731,97.282 184.271,97.282 186.811,94.742 186.811,92.202 184.271,89.662 181.731,89.662 179.191,92.202 179.191,94.742
no net on Top Layer "Top Layer-No Net 6" (solid, pour order 296): 167.481,16.891 170.021,16.891 172.561,14.351 172.561,11.811 170.021,9.271 167.481,9.271 164.941,11.811 164.941,14.351
no net on Top Layer "Top Layer-No Net 7" (solid, pour order 294): 186.036,16.891 188.576,16.891 191.116,14.351 191.116,11.811 188.576,9.271 186.036,9.271 183.496,11.811 183.496,14.351
no net on Top Layer "Top Layer-No Net 8" (solid, pour order 292): 176.651,16.891 179.191,16.891 181.731,14.351 181.731,11.811 179.191,9.271 176.651,9.271 174.111,11.811 174.111,14.351
no net on Top Layer "Top Layer-No Net 9" (solid, pour order 290): 181.731,9.398 184.271,9.398 186.811,6.858 186.811,4.318 184.271,1.778 181.731,1.778 179.191,4.318 179.191,6.858
no net on Top Layer "Top Layer-No Net 10" (solid, pour order 288): 191.116,9.398 193.656,9.398 196.196,6.858 196.196,4.318 193.656,1.778 191.116,1.778 188.576,4.318 188.576,6.858
no net on Top Layer "Top Layer-No Net 11" (solid, pour order 286): 172.561,9.398 175.101,9.398 177.641,6.858 177.641,4.318 175.101,1.778 172.561,1.778 170.021,4.318 170.021,6.858
no net on Top Layer "Top Layer-No Net 12" (solid, pour order 284): 163.176,9.398 165.716,9.398 168.256,6.858 168.256,4.318 165.716,1.778 163.176,1.778 160.636,4.318 160.636,6.858
no net on Top Layer "Top Layer-No Net 13" (solid, pour order 282): 133.471,72.517 136.011,72.517 138.551,69.977 138.551,67.437 136.011,64.897 133.471,64.897 130.931,67.437 130.931,69.977
no net on Top Layer "Top Layer-No Net 14" (solid, pour order 280): 142.856,72.517 145.396,72.517 147.936,69.977 147.936,67.437 145.396,64.897 142.856,64.897 140.316,67.437 140.316,69.977
no net on Top Layer "Top Layer-No Net 15" (solid, pour order 278): 124.301,72.517 126.841,72.517 129.381,69.977 129.381,67.437 126.841,64.897 124.301,64.897 121.761,67.437 121.761,69.977
no net on Top Layer "Top Layer-No Net 16" (solid, pour order 276): 114.916,72.517 117.456,72.517 119.996,69.977 119.996,67.437 117.456,64.897 114.916,64.897 112.376,67.437 112.376,69.977
no net on Top Layer "Top Layer-No Net 17" (solid, pour order 274): 128.391,80.01 130.931,80.01 133.471,77.47 133.471,74.93 130.931,72.39 128.391,72.39 125.851,74.93 125.851,77.47
no net on Top Layer "Top Layer-No Net 18" (solid, pour order 272): 137.776,80.01 140.316,80.01 142.856,77.47 142.856,74.93 140.316,72.39 137.776,72.39 135.236,74.93 135.236,77.47
no net on Top Layer "Top Layer-No Net 19" (solid, pour order 270): 119.221,80.01 121.761,80.01 124.301,77.47 124.301,74.93 121.761,72.39 119.221,72.39 116.681,74.93 116.681,77.47
no net on Top Layer "Top Layer-No Net 20" (solid, pour order 268): 109.836,80.01 112.376,80.01 114.916,77.47 114.916,74.93 112.376,72.39 109.836,72.39 107.296,74.93 107.296,77.47
no net on Top Layer "Top Layer-No Net 21" (solid, pour order 266): 133.471,87.508 136.011,87.508 138.551,84.968 138.551,82.428 136.011,79.888 133.471,79.888 130.931,82.428 130.931,84.968